# Altium PCB SupBigBrrg_0.PcbDoc (part 18 of 29) (continued)
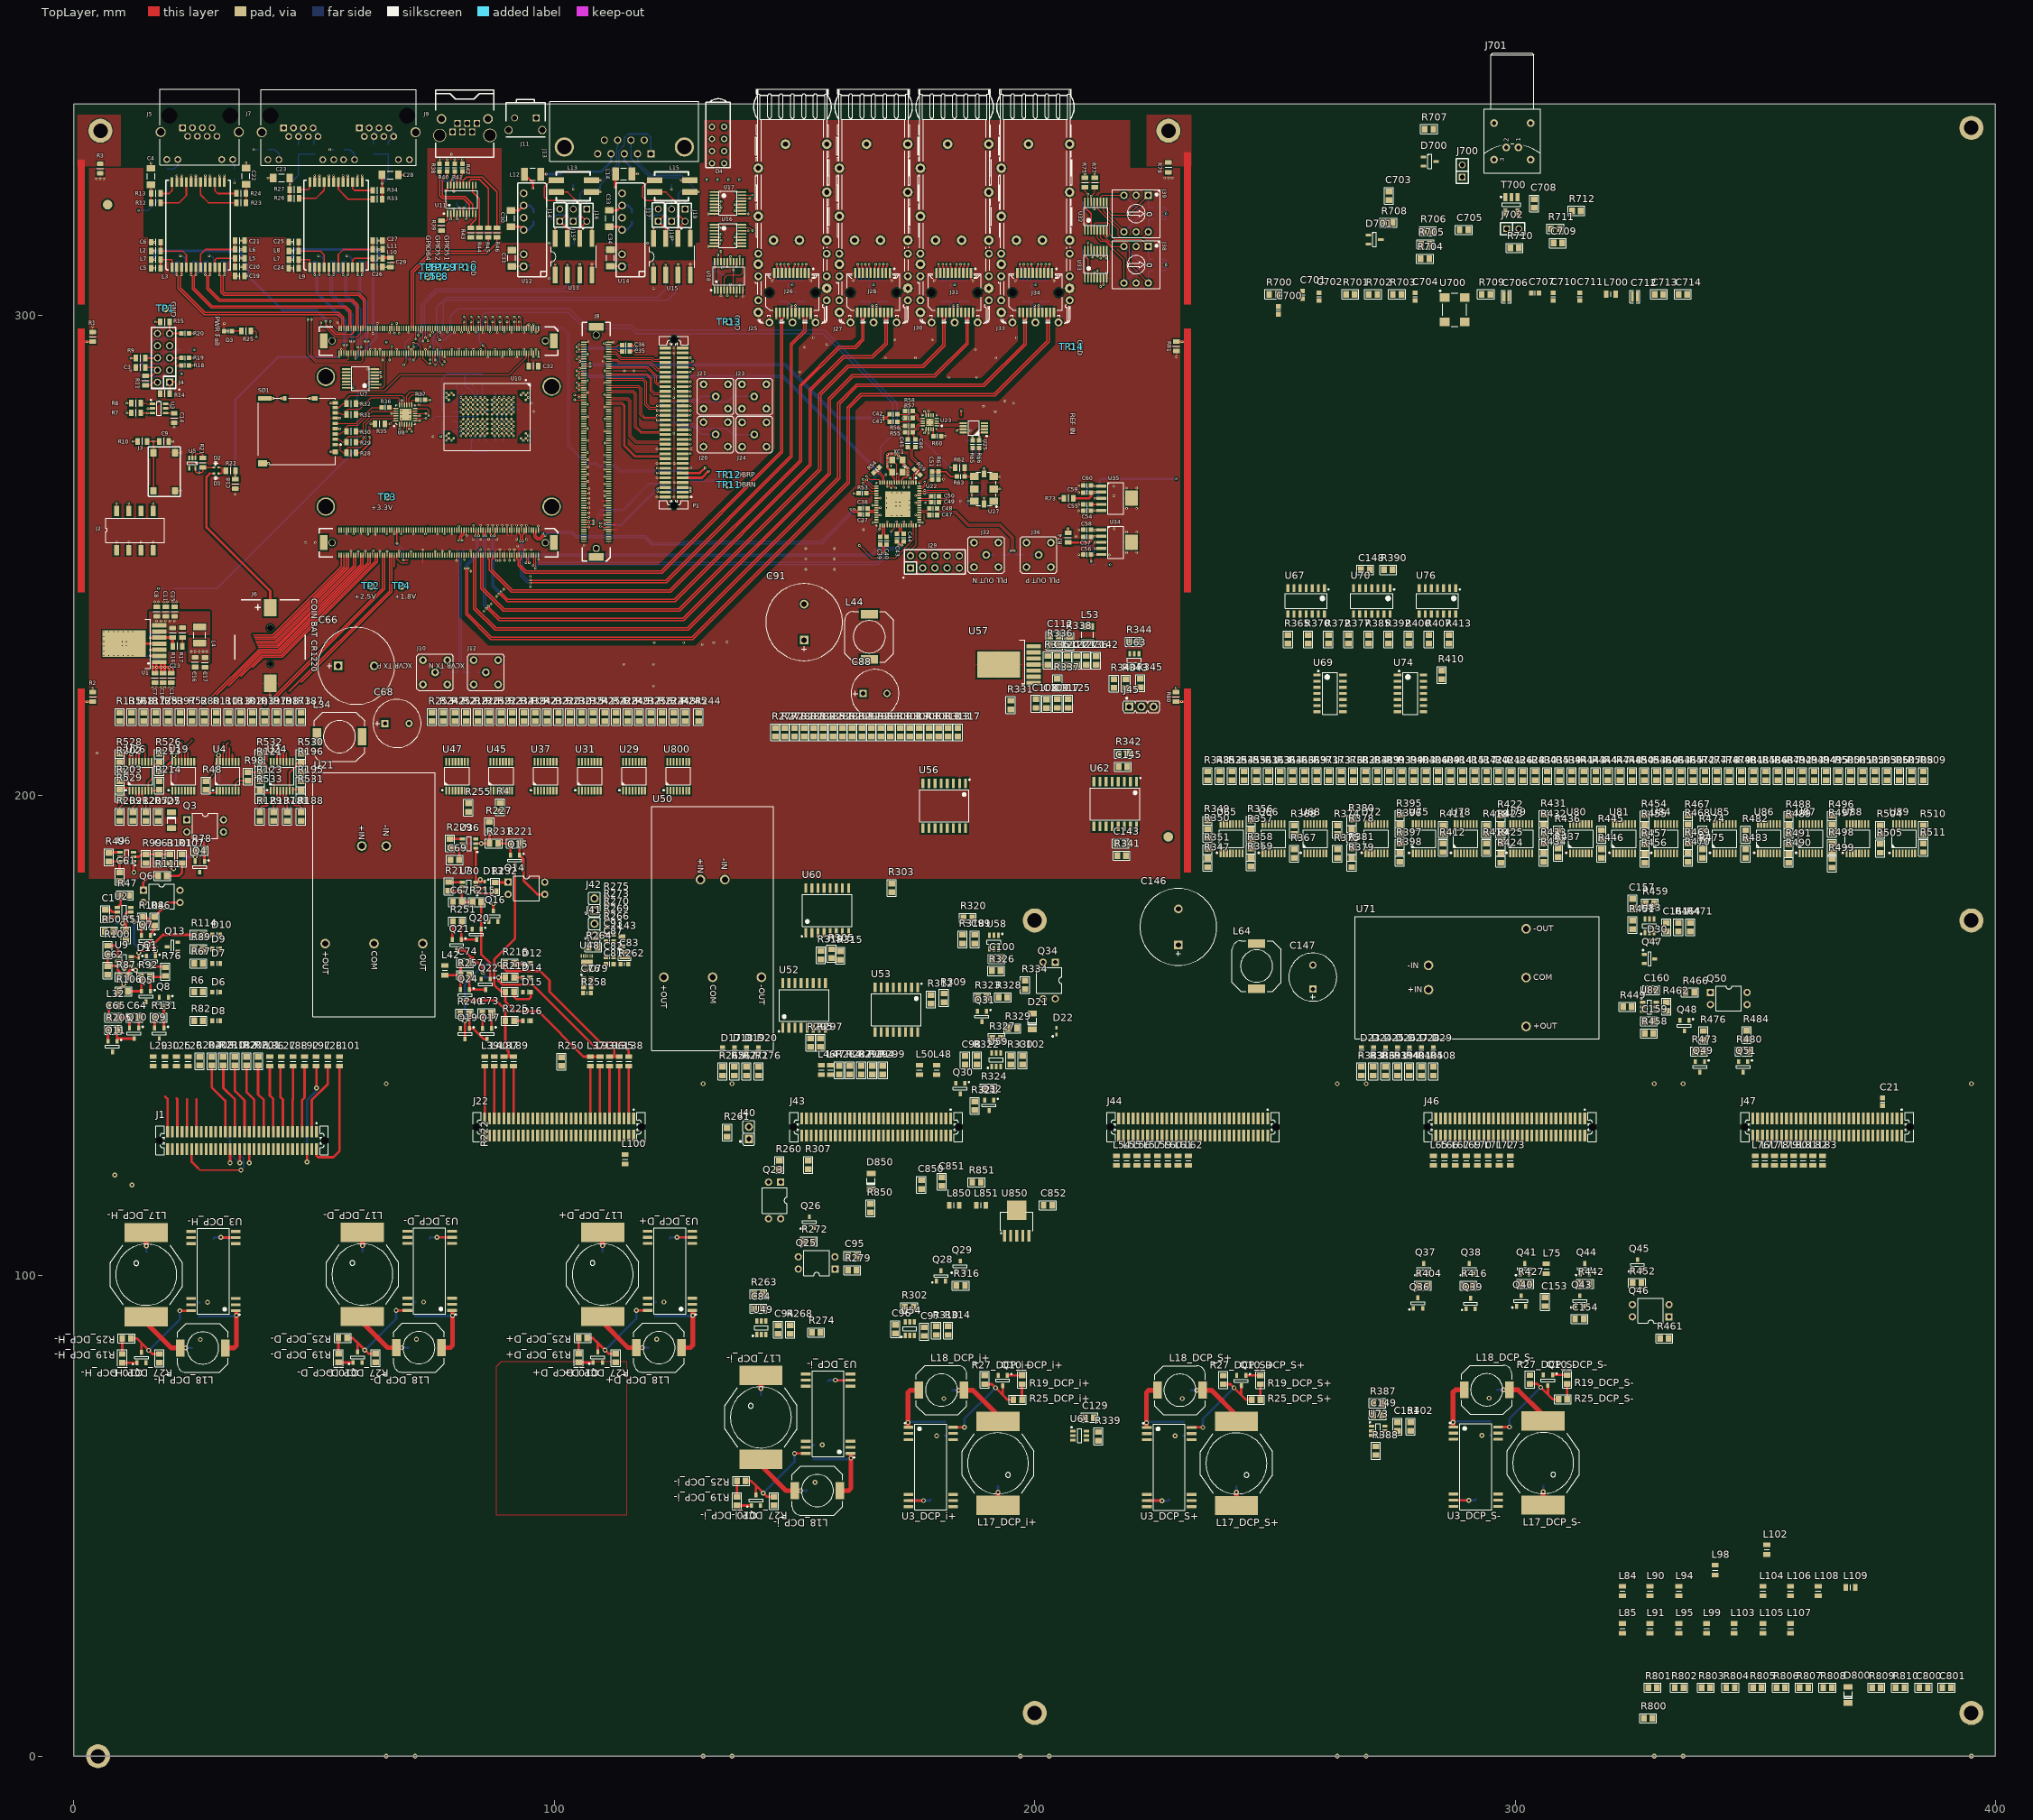
[diagram p0: TopLayer view]
## Design rules (kind name [scope] priority, off if disabled: settings) (continued)
DiffPairsRouting "Schematic Differential Pairs Routing_606" [InNet('ETH0_D_P')] p1545: maxlimit=0.5 minlimit=0.075 mostfreqgap=0.254 toplayer_prefgap=0.175 toplayer_minwidth=0.075 toplayer_maxwidth=0.5 toplayer_prefwidth=0.25 midlayer3_maxgap=0.254 midlayer3_minwidth=0.075 midlayer3_maxwidth=0.5 midlayer3_prefwidth=0.25 midlayer4_maxgap=0.254 midlayer4_minwidth=0.075 midlayer4_maxwidth=0.5 midlayer4_prefwidth=0.25 bottomlayer_prefgap=0.175 bottomlayer_minwidth=0.075 bottomlayer_maxwidth=0.5 bottomlayer_prefwidth=0.25 maxuncoupledlength=12.7
DiffPairsRouting "Schematic Differential Pairs Routing_583" [InNet('ETH0_D_N')] p1546: maxlimit=0.5 minlimit=0.075 mostfreqgap=0.254 toplayer_prefgap=0.175 toplayer_minwidth=0.075 toplayer_maxwidth=0.5 toplayer_prefwidth=0.25 midlayer3_maxgap=0.254 midlayer3_minwidth=0.075 midlayer3_maxwidth=0.5 midlayer3_prefwidth=0.25 midlayer4_maxgap=0.254 midlayer4_minwidth=0.075 midlayer4_maxwidth=0.5 midlayer4_prefwidth=0.25 bottomlayer_prefgap=0.175 bottomlayer_minwidth=0.075 bottomlayer_maxwidth=0.5 bottomlayer_prefwidth=0.25 maxuncoupledlength=12.7
DiffPairsRouting "Schematic Differential Pairs Routing_573" [InNet('ETH0_A_N')] p1547: maxlimit=0.5 minlimit=0.075 mostfreqgap=0.254 toplayer_prefgap=0.175 toplayer_minwidth=0.075 toplayer_maxwidth=0.5 toplayer_prefwidth=0.25 midlayer3_maxgap=0.254 midlayer3_minwidth=0.075 midlayer3_maxwidth=0.5 midlayer3_prefwidth=0.25 midlayer4_maxgap=0.254 midlayer4_minwidth=0.075 midlayer4_maxwidth=0.5 midlayer4_prefwidth=0.25 bottomlayer_prefgap=0.175 bottomlayer_minwidth=0.075 bottomlayer_maxwidth=0.5 bottomlayer_prefwidth=0.25 maxuncoupledlength=12.7
DiffPairsRouting "Schematic Differential Pairs Routing_572" [InNet('ETH0_C_P')] p1548: maxlimit=0.5 minlimit=0.075 mostfreqgap=0.254 toplayer_prefgap=0.175 toplayer_minwidth=0.075 toplayer_maxwidth=0.5 toplayer_prefwidth=0.25 midlayer3_maxgap=0.254 midlayer3_minwidth=0.075 midlayer3_maxwidth=0.5 midlayer3_prefwidth=0.25 midlayer4_maxgap=0.254 midlayer4_minwidth=0.075 midlayer4_maxwidth=0.5 midlayer4_prefwidth=0.25 bottomlayer_prefgap=0.175 bottomlayer_minwidth=0.075 bottomlayer_maxwidth=0.5 bottomlayer_prefwidth=0.25 maxuncoupledlength=12.7
DiffPairsRouting "Schematic Differential Pairs Routing_555" [InNet('ETH0_C_N')] p1549: maxlimit=0.5 minlimit=0.075 mostfreqgap=0.254 toplayer_prefgap=0.175 toplayer_minwidth=0.075 toplayer_maxwidth=0.5 toplayer_prefwidth=0.25 midlayer3_maxgap=0.254 midlayer3_minwidth=0.075 midlayer3_maxwidth=0.5 midlayer3_prefwidth=0.25 midlayer4_maxgap=0.254 midlayer4_minwidth=0.075 midlayer4_maxwidth=0.5 midlayer4_prefwidth=0.25 bottomlayer_prefgap=0.175 bottomlayer_minwidth=0.075 bottomlayer_maxwidth=0.5 bottomlayer_prefwidth=0.25 maxuncoupledlength=12.7
DiffPairsRouting "Schematic Differential Pairs Routing_588" [InNet('ETH0_B_P')] p1550: maxlimit=0.5 minlimit=0.075 mostfreqgap=0.254 toplayer_prefgap=0.175 toplayer_minwidth=0.075 toplayer_maxwidth=0.5 toplayer_prefwidth=0.25 midlayer3_maxgap=0.254 midlayer3_minwidth=0.075 midlayer3_maxwidth=0.5 midlayer3_prefwidth=0.25 midlayer4_maxgap=0.254 midlayer4_minwidth=0.075 midlayer4_maxwidth=0.5 midlayer4_prefwidth=0.25 bottomlayer_prefgap=0.175 bottomlayer_minwidth=0.075 bottomlayer_maxwidth=0.5 bottomlayer_prefwidth=0.25 maxuncoupledlength=12.7
DiffPairsRouting "Schematic Differential Pairs Routing_587" [InNet('ETH0_D_N')] p1551: maxlimit=0.5 minlimit=0.075 mostfreqgap=0.254 toplayer_prefgap=0.175 toplayer_minwidth=0.075 toplayer_maxwidth=0.5 toplayer_prefwidth=0.25 midlayer3_maxgap=0.254 midlayer3_minwidth=0.075 midlayer3_maxwidth=0.5 midlayer3_prefwidth=0.25 midlayer4_maxgap=0.254 midlayer4_minwidth=0.075 midlayer4_maxwidth=0.5 midlayer4_prefwidth=0.25 bottomlayer_prefgap=0.175 bottomlayer_minwidth=0.075 bottomlayer_maxwidth=0.5 bottomlayer_prefwidth=0.25 maxuncoupledlength=12.7
DiffPairsRouting "Schematic Differential Pairs Routing_586" [InNet('ETH0_A_P')] p1552: maxlimit=0.5 minlimit=0.075 mostfreqgap=0.254 toplayer_prefgap=0.175 toplayer_minwidth=0.075 toplayer_maxwidth=0.5 toplayer_prefwidth=0.25 midlayer3_maxgap=0.254 midlayer3_minwidth=0.075 midlayer3_maxwidth=0.5 midlayer3_prefwidth=0.25 midlayer4_maxgap=0.254 midlayer4_minwidth=0.075 midlayer4_maxwidth=0.5 midlayer4_prefwidth=0.25 bottomlayer_prefgap=0.175 bottomlayer_minwidth=0.075 bottomlayer_maxwidth=0.5 bottomlayer_prefwidth=0.25 maxuncoupledlength=12.7
DiffPairsRouting "Schematic Differential Pairs Routing_585" [InNet('ETH0_B_N')] p1553: maxlimit=0.5 minlimit=0.075 mostfreqgap=0.254 toplayer_prefgap=0.175 toplayer_minwidth=0.075 toplayer_maxwidth=0.5 toplayer_prefwidth=0.25 midlayer3_maxgap=0.254 midlayer3_minwidth=0.075 midlayer3_maxwidth=0.5 midlayer3_prefwidth=0.25 midlayer4_maxgap=0.254 midlayer4_minwidth=0.075 midlayer4_maxwidth=0.5 midlayer4_prefwidth=0.25 bottomlayer_prefgap=0.175 bottomlayer_minwidth=0.075 bottomlayer_maxwidth=0.5 bottomlayer_prefwidth=0.25 maxuncoupledlength=12.7
DiffPairsRouting "Schematic Differential Pairs Routing_584" [InNet('ETH0_C_N')] p1554: maxlimit=0.5 minlimit=0.075 mostfreqgap=0.254 toplayer_prefgap=0.175 toplayer_minwidth=0.075 toplayer_maxwidth=0.5 toplayer_prefwidth=0.25 midlayer3_maxgap=0.254 midlayer3_minwidth=0.075 midlayer3_maxwidth=0.5 midlayer3_prefwidth=0.25 midlayer4_maxgap=0.254 midlayer4_minwidth=0.075 midlayer4_maxwidth=0.5 midlayer4_prefwidth=0.25 bottomlayer_prefgap=0.175 bottomlayer_minwidth=0.075 bottomlayer_maxwidth=0.5 bottomlayer_prefwidth=0.25 maxuncoupledlength=12.7
DiffPairsRouting "Schematic Differential Pairs Routing_557" [InNet('ETH0_D_P')] p1555: maxlimit=0.5 minlimit=0.075 mostfreqgap=0.254 toplayer_prefgap=0.175 toplayer_minwidth=0.075 toplayer_maxwidth=0.5 toplayer_prefwidth=0.25 midlayer3_maxgap=0.254 midlayer3_minwidth=0.075 midlayer3_maxwidth=0.5 midlayer3_prefwidth=0.25 midlayer4_maxgap=0.254 midlayer4_minwidth=0.075 midlayer4_maxwidth=0.5 midlayer4_prefwidth=0.25 bottomlayer_prefgap=0.175 bottomlayer_minwidth=0.075 bottomlayer_maxwidth=0.5 bottomlayer_prefwidth=0.25 maxuncoupledlength=12.7
DiffPairsRouting "Schematic Differential Pairs Routing_579" [InNet('ETH0_D_N')] p1556: maxlimit=0.5 minlimit=0.075 mostfreqgap=0.254 toplayer_prefgap=0.175 toplayer_minwidth=0.075 toplayer_maxwidth=0.5 toplayer_prefwidth=0.25 midlayer3_maxgap=0.254 midlayer3_minwidth=0.075 midlayer3_maxwidth=0.5 midlayer3_prefwidth=0.25 midlayer4_maxgap=0.254 midlayer4_minwidth=0.075 midlayer4_maxwidth=0.5 midlayer4_prefwidth=0.25 bottomlayer_prefgap=0.175 bottomlayer_minwidth=0.075 bottomlayer_maxwidth=0.5 bottomlayer_prefwidth=0.25 maxuncoupledlength=12.7
DiffPairsRouting "Schematic Differential Pairs Routing_576" [InNet('ETH0_D_P')] p1557: maxlimit=0.5 minlimit=0.075 mostfreqgap=0.254 toplayer_prefgap=0.175 toplayer_minwidth=0.075 toplayer_maxwidth=0.5 toplayer_prefwidth=0.25 midlayer3_maxgap=0.254 midlayer3_minwidth=0.075 midlayer3_maxwidth=0.5 midlayer3_prefwidth=0.25 midlayer4_maxgap=0.254 midlayer4_minwidth=0.075 midlayer4_maxwidth=0.5 midlayer4_prefwidth=0.25 bottomlayer_prefgap=0.175 bottomlayer_minwidth=0.075 bottomlayer_maxwidth=0.5 bottomlayer_prefwidth=0.25 maxuncoupledlength=12.7
DiffPairsRouting "Schematic Differential Pairs Routing_575" [InNet('ETH0_C_N')] p1558: maxlimit=0.5 minlimit=0.075 mostfreqgap=0.254 toplayer_prefgap=0.175 toplayer_minwidth=0.075 toplayer_maxwidth=0.5 toplayer_prefwidth=0.25 midlayer3_maxgap=0.254 midlayer3_minwidth=0.075 midlayer3_maxwidth=0.5 midlayer3_prefwidth=0.25 midlayer4_maxgap=0.254 midlayer4_minwidth=0.075 midlayer4_maxwidth=0.5 midlayer4_prefwidth=0.25 bottomlayer_prefgap=0.175 bottomlayer_minwidth=0.075 bottomlayer_maxwidth=0.5 bottomlayer_prefwidth=0.25 maxuncoupledlength=12.7
DiffPairsRouting "Schematic Differential Pairs Routing_447" [InNet('ETH0_B_N')] p1559: maxlimit=0.5 minlimit=0.075 mostfreqgap=0.254 toplayer_prefgap=0.175 toplayer_minwidth=0.075 toplayer_maxwidth=0.5 toplayer_prefwidth=0.25 midlayer3_maxgap=0.254 midlayer3_minwidth=0.075 midlayer3_maxwidth=0.5 midlayer3_prefwidth=0.25 midlayer4_maxgap=0.254 midlayer4_minwidth=0.075 midlayer4_maxwidth=0.5 midlayer4_prefwidth=0.25 bottomlayer_prefgap=0.175 bottomlayer_minwidth=0.075 bottomlayer_maxwidth=0.5 bottomlayer_prefwidth=0.25 maxuncoupledlength=12.7
DiffPairsRouting "Schematic Differential Pairs Routing_334" [InNet('ETH0_A_N')] p1560: maxlimit=0.5 minlimit=0.075 mostfreqgap=0.254 toplayer_prefgap=0.175 toplayer_minwidth=0.075 toplayer_maxwidth=0.5 toplayer_prefwidth=0.25 midlayer3_maxgap=0.254 midlayer3_minwidth=0.075 midlayer3_maxwidth=0.5 midlayer3_prefwidth=0.25 midlayer4_maxgap=0.254 midlayer4_minwidth=0.075 midlayer4_maxwidth=0.5 midlayer4_prefwidth=0.25 bottomlayer_prefgap=0.175 bottomlayer_minwidth=0.075 bottomlayer_maxwidth=0.5 bottomlayer_prefwidth=0.25 maxuncoupledlength=12.7
DiffPairsRouting "Schematic Differential Pairs Routing_279" [InNet('ETH0_A_P')] p1561: maxlimit=0.5 minlimit=0.075 mostfreqgap=0.254 toplayer_prefgap=0.175 toplayer_minwidth=0.075 toplayer_maxwidth=0.5 toplayer_prefwidth=0.25 midlayer3_maxgap=0.254 midlayer3_minwidth=0.075 midlayer3_maxwidth=0.5 midlayer3_prefwidth=0.25 midlayer4_maxgap=0.254 midlayer4_minwidth=0.075 midlayer4_maxwidth=0.5 midlayer4_prefwidth=0.25 bottomlayer_prefgap=0.175 bottomlayer_minwidth=0.075 bottomlayer_maxwidth=0.5 bottomlayer_prefwidth=0.25 maxuncoupledlength=12.7
DiffPairsRouting "Schematic Differential Pairs Routing_569" [InNet('ETH0_A_P')] p1562: maxlimit=0.5 minlimit=0.075 mostfreqgap=0.254 toplayer_prefgap=0.175 toplayer_minwidth=0.075 toplayer_maxwidth=0.5 toplayer_prefwidth=0.25 midlayer3_maxgap=0.254 midlayer3_minwidth=0.075 midlayer3_maxwidth=0.5 midlayer3_prefwidth=0.25 midlayer4_maxgap=0.254 midlayer4_minwidth=0.075 midlayer4_maxwidth=0.5 midlayer4_prefwidth=0.25 bottomlayer_prefgap=0.175 bottomlayer_minwidth=0.075 bottomlayer_maxwidth=0.5 bottomlayer_prefwidth=0.25 maxuncoupledlength=12.7
DiffPairsRouting "Schematic Differential Pairs Routing_568" [InNet('ETH0_B_N')] p1563: maxlimit=0.5 minlimit=0.075 mostfreqgap=0.254 toplayer_prefgap=0.175 toplayer_minwidth=0.075 toplayer_maxwidth=0.5 toplayer_prefwidth=0.25 midlayer3_maxgap=0.254 midlayer3_minwidth=0.075 midlayer3_maxwidth=0.5 midlayer3_prefwidth=0.25 midlayer4_maxgap=0.254 midlayer4_minwidth=0.075 midlayer4_maxwidth=0.5 midlayer4_prefwidth=0.25 bottomlayer_prefgap=0.175 bottomlayer_minwidth=0.075 bottomlayer_maxwidth=0.5 bottomlayer_prefwidth=0.25 maxuncoupledlength=12.7
DiffPairsRouting "Schematic Differential Pairs Routing_567" [InNet('ETH0_C_N')] p1564: maxlimit=0.5 minlimit=0.075 mostfreqgap=0.254 toplayer_prefgap=0.175 toplayer_minwidth=0.075 toplayer_maxwidth=0.5 toplayer_prefwidth=0.25 midlayer3_maxgap=0.254 midlayer3_minwidth=0.075 midlayer3_maxwidth=0.5 midlayer3_prefwidth=0.25 midlayer4_maxgap=0.254 midlayer4_minwidth=0.075 midlayer4_maxwidth=0.5 midlayer4_prefwidth=0.25 bottomlayer_prefgap=0.175 bottomlayer_minwidth=0.075 bottomlayer_maxwidth=0.5 bottomlayer_prefwidth=0.25 maxuncoupledlength=12.7
DiffPairsRouting "Schematic Differential Pairs Routing_566" [InNet('ETH0_C_P')] p1565: maxlimit=0.5 minlimit=0.075 mostfreqgap=0.254 toplayer_prefgap=0.175 toplayer_minwidth=0.075 toplayer_maxwidth=0.5 toplayer_prefwidth=0.25 midlayer3_maxgap=0.254 midlayer3_minwidth=0.075 midlayer3_maxwidth=0.5 midlayer3_prefwidth=0.25 midlayer4_maxgap=0.254 midlayer4_minwidth=0.075 midlayer4_maxwidth=0.5 midlayer4_prefwidth=0.25 bottomlayer_prefgap=0.175 bottomlayer_minwidth=0.075 bottomlayer_maxwidth=0.5 bottomlayer_prefwidth=0.25 maxuncoupledlength=12.7
DiffPairsRouting "Schematic Differential Pairs Routing_565" [InNet('ETH0_D_N')] p1566: maxlimit=0.5 minlimit=0.075 mostfreqgap=0.254 toplayer_prefgap=0.175 toplayer_minwidth=0.075 toplayer_maxwidth=0.5 toplayer_prefwidth=0.25 midlayer3_maxgap=0.254 midlayer3_minwidth=0.075 midlayer3_maxwidth=0.5 midlayer3_prefwidth=0.25 midlayer4_maxgap=0.254 midlayer4_minwidth=0.075 midlayer4_maxwidth=0.5 midlayer4_prefwidth=0.25 bottomlayer_prefgap=0.175 bottomlayer_minwidth=0.075 bottomlayer_maxwidth=0.5 bottomlayer_prefwidth=0.25 maxuncoupledlength=12.7
DiffPairsRouting "Schematic Differential Pairs Routing_564" [InNet('ETH0_D_P')] p1567: maxlimit=0.5 minlimit=0.075 mostfreqgap=0.254 toplayer_prefgap=0.175 toplayer_minwidth=0.075 toplayer_maxwidth=0.5 toplayer_prefwidth=0.25 midlayer3_maxgap=0.254 midlayer3_minwidth=0.075 midlayer3_maxwidth=0.5 midlayer3_prefwidth=0.25 midlayer4_maxgap=0.254 midlayer4_minwidth=0.075 midlayer4_maxwidth=0.5 midlayer4_prefwidth=0.25 bottomlayer_prefgap=0.175 bottomlayer_minwidth=0.075 bottomlayer_maxwidth=0.5 bottomlayer_prefwidth=0.25 maxuncoupledlength=12.7
DiffPairsRouting "Schematic Differential Pairs Routing_554" [InNet('ETH0_A_P')] p1568: maxlimit=0.5 minlimit=0.075 mostfreqgap=0.254 toplayer_prefgap=0.175 toplayer_minwidth=0.075 toplayer_maxwidth=0.5 toplayer_prefwidth=0.25 midlayer3_maxgap=0.254 midlayer3_minwidth=0.075 midlayer3_maxwidth=0.5 midlayer3_prefwidth=0.25 midlayer4_maxgap=0.254 midlayer4_minwidth=0.075 midlayer4_maxwidth=0.5 midlayer4_prefwidth=0.25 bottomlayer_prefgap=0.175 bottomlayer_minwidth=0.075 bottomlayer_maxwidth=0.5 bottomlayer_prefwidth=0.25 maxuncoupledlength=12.7
DiffPairsRouting "Schematic Differential Pairs Routing_553" [InNet('ETH0_B_N')] p1569: maxlimit=0.5 minlimit=0.075 mostfreqgap=0.254 toplayer_prefgap=0.175 toplayer_minwidth=0.075 toplayer_maxwidth=0.5 toplayer_prefwidth=0.25 midlayer3_maxgap=0.254 midlayer3_minwidth=0.075 midlayer3_maxwidth=0.5 midlayer3_prefwidth=0.25 midlayer4_maxgap=0.254 midlayer4_minwidth=0.075 midlayer4_maxwidth=0.5 midlayer4_prefwidth=0.25 bottomlayer_prefgap=0.175 bottomlayer_minwidth=0.075 bottomlayer_maxwidth=0.5 bottomlayer_prefwidth=0.25 maxuncoupledlength=12.7
DiffPairsRouting "Schematic Differential Pairs Routing_552" [InNet('ETH0_C_N')] p1570: maxlimit=0.5 minlimit=0.075 mostfreqgap=0.254 toplayer_prefgap=0.175 toplayer_minwidth=0.075 toplayer_maxwidth=0.5 toplayer_prefwidth=0.25 midlayer3_maxgap=0.254 midlayer3_minwidth=0.075 midlayer3_maxwidth=0.5 midlayer3_prefwidth=0.25 midlayer4_maxgap=0.254 midlayer4_minwidth=0.075 midlayer4_maxwidth=0.5 midlayer4_prefwidth=0.25 bottomlayer_prefgap=0.175 bottomlayer_minwidth=0.075 bottomlayer_maxwidth=0.5 bottomlayer_prefwidth=0.25 maxuncoupledlength=12.7
DiffPairsRouting "Schematic Differential Pairs Routing_551" [InNet('ETH0_C_P')] p1571: maxlimit=0.5 minlimit=0.075 mostfreqgap=0.254 toplayer_prefgap=0.175 toplayer_minwidth=0.075 toplayer_maxwidth=0.5 toplayer_prefwidth=0.25 midlayer3_maxgap=0.254 midlayer3_minwidth=0.075 midlayer3_maxwidth=0.5 midlayer3_prefwidth=0.25 midlayer4_maxgap=0.254 midlayer4_minwidth=0.075 midlayer4_maxwidth=0.5 midlayer4_prefwidth=0.25 bottomlayer_prefgap=0.175 bottomlayer_minwidth=0.075 bottomlayer_maxwidth=0.5 bottomlayer_prefwidth=0.25 maxuncoupledlength=12.7
DiffPairsRouting "Schematic Differential Pairs Routing_550" [InNet('ETH0_D_N')] p1572: maxlimit=0.5 minlimit=0.075 mostfreqgap=0.254 toplayer_prefgap=0.175 toplayer_minwidth=0.075 toplayer_maxwidth=0.5 toplayer_prefwidth=0.25 midlayer3_maxgap=0.254 midlayer3_minwidth=0.075 midlayer3_maxwidth=0.5 midlayer3_prefwidth=0.25 midlayer4_maxgap=0.254 midlayer4_minwidth=0.075 midlayer4_maxwidth=0.5 midlayer4_prefwidth=0.25 bottomlayer_prefgap=0.175 bottomlayer_minwidth=0.075 bottomlayer_maxwidth=0.5 bottomlayer_prefwidth=0.25 maxuncoupledlength=12.7
DiffPairsRouting "Schematic Differential Pairs Routing_549" [InNet('ETH0_D_P')] p1573: maxlimit=0.5 minlimit=0.075 mostfreqgap=0.254 toplayer_prefgap=0.175 toplayer_minwidth=0.075 toplayer_maxwidth=0.5 toplayer_prefwidth=0.25 midlayer3_maxgap=0.254 midlayer3_minwidth=0.075 midlayer3_maxwidth=0.5 midlayer3_prefwidth=0.25 midlayer4_maxgap=0.254 midlayer4_minwidth=0.075 midlayer4_maxwidth=0.5 midlayer4_prefwidth=0.25 bottomlayer_prefgap=0.175 bottomlayer_minwidth=0.075 bottomlayer_maxwidth=0.5 bottomlayer_prefwidth=0.25 maxuncoupledlength=12.7
DiffPairsRouting "Schematic Differential Pairs Routing_542" [InNet('ETH0_A_P')] p1574: maxlimit=0.5 minlimit=0.075 mostfreqgap=0.254 toplayer_prefgap=0.175 toplayer_minwidth=0.075 toplayer_maxwidth=0.5 toplayer_prefwidth=0.25 midlayer3_maxgap=0.254 midlayer3_minwidth=0.075 midlayer3_maxwidth=0.5 midlayer3_prefwidth=0.25 midlayer4_maxgap=0.254 midlayer4_minwidth=0.075 midlayer4_maxwidth=0.5 midlayer4_prefwidth=0.25 bottomlayer_prefgap=0.175 bottomlayer_minwidth=0.075 bottomlayer_maxwidth=0.5 bottomlayer_prefwidth=0.25 maxuncoupledlength=12.7
DiffPairsRouting "Schematic Differential Pairs Routing_541" [InNet('ETH0_B_N')] p1575: maxlimit=0.5 minlimit=0.075 mostfreqgap=0.254 toplayer_prefgap=0.175 toplayer_minwidth=0.075 toplayer_maxwidth=0.5 toplayer_prefwidth=0.25 midlayer3_maxgap=0.254 midlayer3_minwidth=0.075 midlayer3_maxwidth=0.5 midlayer3_prefwidth=0.25 midlayer4_maxgap=0.254 midlayer4_minwidth=0.075 midlayer4_maxwidth=0.5 midlayer4_prefwidth=0.25 bottomlayer_prefgap=0.175 bottomlayer_minwidth=0.075 bottomlayer_maxwidth=0.5 bottomlayer_prefwidth=0.25 maxuncoupledlength=12.7
DiffPairsRouting "Schematic Differential Pairs Routing_540" [InNet('ETH0_C_N')] p1576: maxlimit=0.5 minlimit=0.075 mostfreqgap=0.254 toplayer_prefgap=0.175 toplayer_minwidth=0.075 toplayer_maxwidth=0.5 toplayer_prefwidth=0.25 midlayer3_maxgap=0.254 midlayer3_minwidth=0.075 midlayer3_maxwidth=0.5 midlayer3_prefwidth=0.25 midlayer4_maxgap=0.254 midlayer4_minwidth=0.075 midlayer4_maxwidth=0.5 midlayer4_prefwidth=0.25 bottomlayer_prefgap=0.175 bottomlayer_minwidth=0.075 bottomlayer_maxwidth=0.5 bottomlayer_prefwidth=0.25 maxuncoupledlength=12.7
DiffPairsRouting "Schematic Differential Pairs Routing_539" [InNet('ETH0_C_P')] p1577: maxlimit=0.5 minlimit=0.075 mostfreqgap=0.254 toplayer_prefgap=0.175 toplayer_minwidth=0.075 toplayer_maxwidth=0.5 toplayer_prefwidth=0.25 midlayer3_maxgap=0.254 midlayer3_minwidth=0.075 midlayer3_maxwidth=0.5 midlayer3_prefwidth=0.25 midlayer4_maxgap=0.254 midlayer4_minwidth=0.075 midlayer4_maxwidth=0.5 midlayer4_prefwidth=0.25 bottomlayer_prefgap=0.175 bottomlayer_minwidth=0.075 bottomlayer_maxwidth=0.5 bottomlayer_prefwidth=0.25 maxuncoupledlength=12.7
DiffPairsRouting "Schematic Differential Pairs Routing_538" [InNet('ETH0_D_N')] p1578: maxlimit=0.5 minlimit=0.075 mostfreqgap=0.254 toplayer_prefgap=0.175 toplayer_minwidth=0.075 toplayer_maxwidth=0.5 toplayer_prefwidth=0.25 midlayer3_maxgap=0.254 midlayer3_minwidth=0.075 midlayer3_maxwidth=0.5 midlayer3_prefwidth=0.25 midlayer4_maxgap=0.254 midlayer4_minwidth=0.075 midlayer4_maxwidth=0.5 midlayer4_prefwidth=0.25 bottomlayer_prefgap=0.175 bottomlayer_minwidth=0.075 bottomlayer_maxwidth=0.5 bottomlayer_prefwidth=0.25 maxuncoupledlength=12.7
DiffPairsRouting "Schematic Differential Pairs Routing_537" [InNet('ETH0_D_P')] p1579: maxlimit=0.5 minlimit=0.075 mostfreqgap=0.254 toplayer_prefgap=0.175 toplayer_minwidth=0.075 toplayer_maxwidth=0.5 toplayer_prefwidth=0.25 midlayer3_maxgap=0.254 midlayer3_minwidth=0.075 midlayer3_maxwidth=0.5 midlayer3_prefwidth=0.25 midlayer4_maxgap=0.254 midlayer4_minwidth=0.075 midlayer4_maxwidth=0.5 midlayer4_prefwidth=0.25 bottomlayer_prefgap=0.175 bottomlayer_minwidth=0.075 bottomlayer_maxwidth=0.5 bottomlayer_prefwidth=0.25 maxuncoupledlength=12.7
DiffPairsRouting "Schematic Differential Pairs Routing_439" [InNet('ETH0_A_P')] p1580: maxlimit=0.5 minlimit=0.075 mostfreqgap=0.254 toplayer_prefgap=0.175 toplayer_minwidth=0.075 toplayer_maxwidth=0.5 toplayer_prefwidth=0.25 midlayer3_maxgap=0.254 midlayer3_minwidth=0.075 midlayer3_maxwidth=0.5 midlayer3_prefwidth=0.25 midlayer4_maxgap=0.254 midlayer4_minwidth=0.075 midlayer4_maxwidth=0.5 midlayer4_prefwidth=0.25 bottomlayer_prefgap=0.175 bottomlayer_minwidth=0.075 bottomlayer_maxwidth=0.5 bottomlayer_prefwidth=0.25 maxuncoupledlength=12.7
DiffPairsRouting "Schematic Differential Pairs Routing_438" [InNet('ETH0_B_N')] p1581: maxlimit=0.5 minlimit=0.075 mostfreqgap=0.254 toplayer_prefgap=0.175 toplayer_minwidth=0.075 toplayer_maxwidth=0.5 toplayer_prefwidth=0.25 midlayer3_maxgap=0.254 midlayer3_minwidth=0.075 midlayer3_maxwidth=0.5 midlayer3_prefwidth=0.25 midlayer4_maxgap=0.254 midlayer4_minwidth=0.075 midlayer4_maxwidth=0.5 midlayer4_prefwidth=0.25 bottomlayer_prefgap=0.175 bottomlayer_minwidth=0.075 bottomlayer_maxwidth=0.5 bottomlayer_prefwidth=0.25 maxuncoupledlength=12.7
DiffPairsRouting "Schematic Differential Pairs Routing_437" [InNet('ETH0_C_N')] p1582: maxlimit=0.5 minlimit=0.075 mostfreqgap=0.254 toplayer_prefgap=0.175 toplayer_minwidth=0.075 toplayer_maxwidth=0.5 toplayer_prefwidth=0.25 midlayer3_maxgap=0.254 midlayer3_minwidth=0.075 midlayer3_maxwidth=0.5 midlayer3_prefwidth=0.25 midlayer4_maxgap=0.254 midlayer4_minwidth=0.075 midlayer4_maxwidth=0.5 midlayer4_prefwidth=0.25 bottomlayer_prefgap=0.175 bottomlayer_minwidth=0.075 bottomlayer_maxwidth=0.5 bottomlayer_prefwidth=0.25 maxuncoupledlength=12.7
DiffPairsRouting "Schematic Differential Pairs Routing_335" [InNet('ETH0_C_P')] p1583: maxlimit=0.5 minlimit=0.075 mostfreqgap=0.254 toplayer_prefgap=0.175 toplayer_minwidth=0.075 toplayer_maxwidth=0.5 toplayer_prefwidth=0.25 midlayer3_maxgap=0.254 midlayer3_minwidth=0.075 midlayer3_maxwidth=0.5 midlayer3_prefwidth=0.25 midlayer4_maxgap=0.254 midlayer4_minwidth=0.075 midlayer4_maxwidth=0.5 midlayer4_prefwidth=0.25 bottomlayer_prefgap=0.175 bottomlayer_minwidth=0.075 bottomlayer_maxwidth=0.5 bottomlayer_prefwidth=0.25 maxuncoupledlength=12.7
DiffPairsRouting "Schematic Differential Pairs Routing_515" [InNet('ETH0_A_P')] p1584: maxlimit=0.5 minlimit=0.075 mostfreqgap=0.254 toplayer_prefgap=0.175 toplayer_minwidth=0.075 toplayer_maxwidth=0.5 toplayer_prefwidth=0.25 midlayer3_maxgap=0.254 midlayer3_minwidth=0.075 midlayer3_maxwidth=0.5 midlayer3_prefwidth=0.25 midlayer4_maxgap=0.254 midlayer4_minwidth=0.075 midlayer4_maxwidth=0.5 midlayer4_prefwidth=0.25 bottomlayer_prefgap=0.175 bottomlayer_minwidth=0.075 bottomlayer_maxwidth=0.5 bottomlayer_prefwidth=0.25 maxuncoupledlength=12.7
DiffPairsRouting "Schematic Differential Pairs Routing_514" [InNet('ETH0_B_N')] p1585: maxlimit=0.5 minlimit=0.075 mostfreqgap=0.254 toplayer_prefgap=0.175 toplayer_minwidth=0.075 toplayer_maxwidth=0.5 toplayer_prefwidth=0.25 midlayer3_maxgap=0.254 midlayer3_minwidth=0.075 midlayer3_maxwidth=0.5 midlayer3_prefwidth=0.25 midlayer4_maxgap=0.254 midlayer4_minwidth=0.075 midlayer4_maxwidth=0.5 midlayer4_prefwidth=0.25 bottomlayer_prefgap=0.175 bottomlayer_minwidth=0.075 bottomlayer_maxwidth=0.5 bottomlayer_prefwidth=0.25 maxuncoupledlength=12.7
DiffPairsRouting "Schematic Differential Pairs Routing_513" [InNet('ETH0_C_N')] p1586: maxlimit=0.5 minlimit=0.075 mostfreqgap=0.254 toplayer_prefgap=0.175 toplayer_minwidth=0.075 toplayer_maxwidth=0.5 toplayer_prefwidth=0.25 midlayer3_maxgap=0.254 midlayer3_minwidth=0.075 midlayer3_maxwidth=0.5 midlayer3_prefwidth=0.25 midlayer4_maxgap=0.254 midlayer4_minwidth=0.075 midlayer4_maxwidth=0.5 midlayer4_prefwidth=0.25 bottomlayer_prefgap=0.175 bottomlayer_minwidth=0.075 bottomlayer_maxwidth=0.5 bottomlayer_prefwidth=0.25 maxuncoupledlength=12.7
DiffPairsRouting "Schematic Differential Pairs Routing_512" [InNet('ETH0_C_P')] p1587: maxlimit=0.5 minlimit=0.075 mostfreqgap=0.254 toplayer_prefgap=0.175 toplayer_minwidth=0.075 toplayer_maxwidth=0.5 toplayer_prefwidth=0.25 midlayer3_maxgap=0.254 midlayer3_minwidth=0.075 midlayer3_maxwidth=0.5 midlayer3_prefwidth=0.25 midlayer4_maxgap=0.254 midlayer4_minwidth=0.075 midlayer4_maxwidth=0.5 midlayer4_prefwidth=0.25 bottomlayer_prefgap=0.175 bottomlayer_minwidth=0.075 bottomlayer_maxwidth=0.5 bottomlayer_prefwidth=0.25 maxuncoupledlength=12.7
DiffPairsRouting "Schematic Differential Pairs Routing_511" [InNet('ETH0_D_N')] p1588: maxlimit=0.5 minlimit=0.075 mostfreqgap=0.254 toplayer_prefgap=0.175 toplayer_minwidth=0.075 toplayer_maxwidth=0.5 toplayer_prefwidth=0.25 midlayer3_maxgap=0.254 midlayer3_minwidth=0.075 midlayer3_maxwidth=0.5 midlayer3_prefwidth=0.25 midlayer4_maxgap=0.254 midlayer4_minwidth=0.075 midlayer4_maxwidth=0.5 midlayer4_prefwidth=0.25 bottomlayer_prefgap=0.175 bottomlayer_minwidth=0.075 bottomlayer_maxwidth=0.5 bottomlayer_prefwidth=0.25 maxuncoupledlength=12.7
DiffPairsRouting "Schematic Differential Pairs Routing_510" [InNet('ETH0_D_P')] p1589: maxlimit=0.5 minlimit=0.075 mostfreqgap=0.254 toplayer_prefgap=0.175 toplayer_minwidth=0.075 toplayer_maxwidth=0.5 toplayer_prefwidth=0.25 midlayer3_maxgap=0.254 midlayer3_minwidth=0.075 midlayer3_maxwidth=0.5 midlayer3_prefwidth=0.25 midlayer4_maxgap=0.254 midlayer4_minwidth=0.075 midlayer4_maxwidth=0.5 midlayer4_prefwidth=0.25 bottomlayer_prefgap=0.175 bottomlayer_minwidth=0.075 bottomlayer_maxwidth=0.5 bottomlayer_prefwidth=0.25 maxuncoupledlength=12.7
DiffPairsRouting "Schematic Differential Pairs Routing_453" [InNet('IO_CL40')] p1590: maxlimit=0.5 minlimit=0.075 mostfreqgap=0.175 toplayer_minwidth=0.075 toplayer_maxwidth=0.5 toplayer_prefwidth=0.25 midlayer3_maxgap=0.254 midlayer3_prefgap=0.15 midlayer3_minwidth=0.075 midlayer3_maxwidth=0.5 midlayer3_prefwidth=0.175 midlayer4_maxgap=0.254 midlayer4_prefgap=0.15 midlayer4_minwidth=0.075 midlayer4_maxwidth=0.5 midlayer4_prefwidth=0.175 bottomlayer_minwidth=0.075 bottomlayer_maxwidth=0.5 bottomlayer_prefwidth=0.25 maxuncoupledlength=12.7
DiffPairsRouting "Schematic Differential Pairs Routing_452" [InNet('IO_CL39')] p1591: maxlimit=0.5 minlimit=0.075 mostfreqgap=0.175 toplayer_minwidth=0.075 toplayer_maxwidth=0.5 toplayer_prefwidth=0.25 midlayer3_maxgap=0.254 midlayer3_prefgap=0.15 midlayer3_minwidth=0.075 midlayer3_maxwidth=0.5 midlayer3_prefwidth=0.175 midlayer4_maxgap=0.254 midlayer4_prefgap=0.15 midlayer4_minwidth=0.075 midlayer4_maxwidth=0.5 midlayer4_prefwidth=0.175 bottomlayer_minwidth=0.075 bottomlayer_maxwidth=0.5 bottomlayer_prefwidth=0.25 maxuncoupledlength=12.7
DiffPairsRouting "Schematic Differential Pairs Routing_448" [InNet('ETH0_A_P')] p1592: maxlimit=0.5 minlimit=0.075 mostfreqgap=0.254 toplayer_prefgap=0.175 toplayer_minwidth=0.075 toplayer_maxwidth=0.5 toplayer_prefwidth=0.25 midlayer3_maxgap=0.254 midlayer3_minwidth=0.075 midlayer3_maxwidth=0.5 midlayer3_prefwidth=0.25 midlayer4_maxgap=0.254 midlayer4_minwidth=0.075 midlayer4_maxwidth=0.5 midlayer4_prefwidth=0.25 bottomlayer_prefgap=0.175 bottomlayer_minwidth=0.075 bottomlayer_maxwidth=0.5 bottomlayer_prefwidth=0.25 maxuncoupledlength=12.7
DiffPairsRouting "Schematic Differential Pairs Routing_440" [InNet('ETH0_B_N')] p1593: maxlimit=0.5 minlimit=0.075 mostfreqgap=0.254 toplayer_prefgap=0.175 toplayer_minwidth=0.075 toplayer_maxwidth=0.5 toplayer_prefwidth=0.25 midlayer3_maxgap=0.254 midlayer3_minwidth=0.075 midlayer3_maxwidth=0.5 midlayer3_prefwidth=0.25 midlayer4_maxgap=0.254 midlayer4_minwidth=0.075 midlayer4_maxwidth=0.5 midlayer4_prefwidth=0.25 bottomlayer_prefgap=0.175 bottomlayer_minwidth=0.075 bottomlayer_maxwidth=0.5 bottomlayer_prefwidth=0.25 maxuncoupledlength=12.7
DiffPairsRouting "Schematic Differential Pairs Routing_411" [InNet('ETH0_B_P')] p1594: maxlimit=0.5 minlimit=0.075 mostfreqgap=0.254 toplayer_prefgap=0.175 toplayer_minwidth=0.075 toplayer_maxwidth=0.5 toplayer_prefwidth=0.25 midlayer3_maxgap=0.254 midlayer3_minwidth=0.075 midlayer3_maxwidth=0.5 midlayer3_prefwidth=0.25 midlayer4_maxgap=0.254 midlayer4_minwidth=0.075 midlayer4_maxwidth=0.5 midlayer4_prefwidth=0.25 bottomlayer_prefgap=0.175 bottomlayer_minwidth=0.075 bottomlayer_maxwidth=0.5 bottomlayer_prefwidth=0.25 maxuncoupledlength=12.7
DiffPairsRouting "Schematic Differential Pairs Routing_318" [InNet('ETH0_C_N')] p1595: maxlimit=0.5 minlimit=0.075 mostfreqgap=0.254 toplayer_prefgap=0.175 toplayer_minwidth=0.075 toplayer_maxwidth=0.5 toplayer_prefwidth=0.25 midlayer3_maxgap=0.254 midlayer3_minwidth=0.075 midlayer3_maxwidth=0.5 midlayer3_prefwidth=0.25 midlayer4_maxgap=0.254 midlayer4_minwidth=0.075 midlayer4_maxwidth=0.5 midlayer4_prefwidth=0.25 bottomlayer_prefgap=0.175 bottomlayer_minwidth=0.075 bottomlayer_maxwidth=0.5 bottomlayer_prefwidth=0.25 maxuncoupledlength=12.7
DiffPairsRouting "Schematic Differential Pairs Routing_306" [InNet('ETH0_D_N')] p1596: maxlimit=0.5 minlimit=0.075 mostfreqgap=0.254 toplayer_prefgap=0.175 toplayer_minwidth=0.075 toplayer_maxwidth=0.5 toplayer_prefwidth=0.25 midlayer3_maxgap=0.254 midlayer3_minwidth=0.075 midlayer3_maxwidth=0.5 midlayer3_prefwidth=0.25 midlayer4_maxgap=0.254 midlayer4_minwidth=0.075 midlayer4_maxwidth=0.5 midlayer4_prefwidth=0.25 bottomlayer_prefgap=0.175 bottomlayer_minwidth=0.075 bottomlayer_maxwidth=0.5 bottomlayer_prefwidth=0.25 maxuncoupledlength=12.7